# Altium PCB MB1166.PcbDoc (part 3 of 39) (continued)
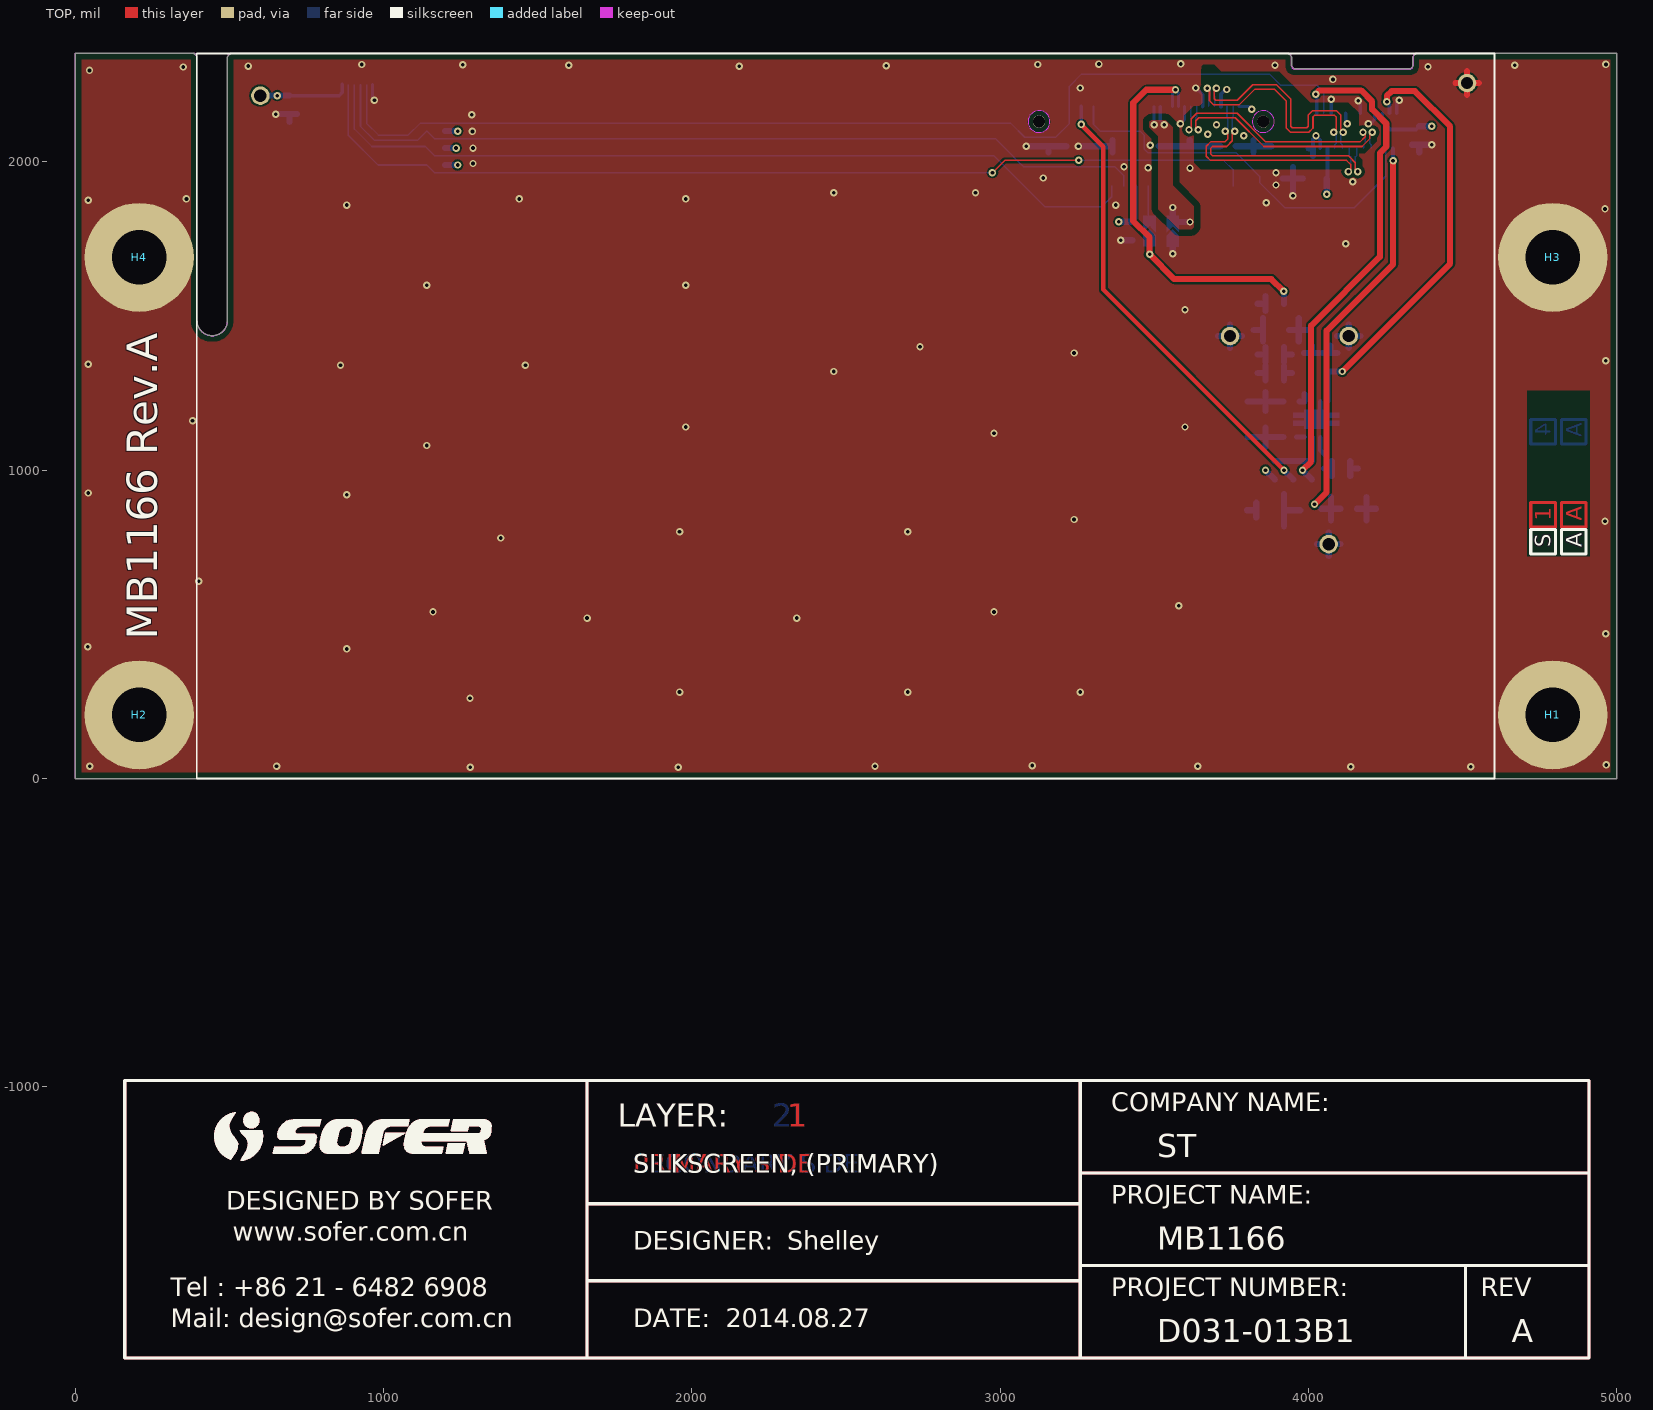
[diagram p0: TOP view]
## Nets (pads, with @x,y where several pads share a name; then routed paths per layer and width w, separated by ;. In a path a pad name is that pad's centre, name@x,y a point inside that pad or via, vN(x,y) a via of type N, cw(c..) or ccw(c..) an arc to the next point about the centre after c; other vN are vias at no path point) (continued)
817.32,-1122.62 ; 817.26,-1122.69 817.32,-1122.62 ; 817.32,-1122.62 817.39,-1122.54 ; 817.32,-1122.62 817.39,-1122.54 ; 817.39,-1122.54 817.6,-1122.33 ; 817.39,-1122.54 817.6,-1122.33 ; 817.56,-1215.92 817.65,-1215.94 ; 817.56,-1215.92 817.65,-1215.94 ; 817.6,-1122.33 817.67,-1122.25 ; 817.6,-1122.33 817.67,-1122.25 ; 817.65,-1215.94 817.75,-1215.96 ; 817.65,-1215.94 817.75,-1215.96 ; 817.67,-1122.25 817.74,-1122.18 ; 817.67,-1122.25 817.74,-1122.18 ; 817.75,-1215.96 817.85,-1215.97 ; 817.75,-1215.96 817.85,-1215.97 ; 817.74,-1122.18 817.8,-1122.11 ; 817.74,-1122.18 817.8,-1122.11 ; 817.8,-1122.11 817.87,-1122.04 ; 817.8,-1122.11 817.87,-1122.04 ; 817.85,-1215.97 818.15,-1216.03 ; 817.85,-1215.97 818.15,-1216.03 ; 817.87,-1122.04 817.94,-1121.96 ; 817.87,-1122.04 817.94,-1121.96 ; 817.94,-1121.96 818.29,-1121.61 ; 817.94,-1121.96 818.29,-1121.61 ; 818.15,-1216.03 818.24,-1216.05 ; 818.15,-1216.03 818.24,-1216.05 ; 818.24,-1216.05 818.34,-1216.06 ; 818.24,-1216.05 818.34,-1216.06 ; 818.29,-1121.61 818.36,-1121.53 ; 818.29,-1121.61 818.36,-1121.53 ; 818.34,-1216.06 818.74,-1216.14 ; 818.34,-1216.06 818.74,-1216.14 ; 818.36,-1121.53 818.78,-1121.11 ; 818.36,-1121.53 818.78,-1121.11 ; 818.74,-1216.14 818.83,-1216.15 ; 818.74,-1216.14 818.83,-1216.15 ; 818.78,-1121.11 818.86,-1121.04 ; 818.78,-1121.11 818.86,-1121.04 ; 818.83,-1216.15 819.13,-1216.21 ; 818.83,-1216.15 819.13,-1216.21 ; 818.86,-1121.04 819.28,-1120.62 ; 818.86,-1121.04 819.28,-1120.62 ; 819.13,-1216.21 819.23,-1216.22 ; 819.13,-1216.21 819.23,-1216.22 ; 819.23,-1216.22 819.33,-1216.24 ; 819.23,-1216.22 819.33,-1216.24 ; 819.28,-1120.62 819.36,-1120.55 ; 819.28,-1120.62 819.36,-1120.55 ; 819.33,-1216.24 819.42,-1216.26 ; 819.33,-1216.24 819.42,-1216.26 ; 819.36,-1120.55 819.57,-1120.34 ; 819.36,-1120.55 819.57,-1120.34 ; 819.42,-1216.26 819.52,-1216.28 ; 819.42,-1216.26 819.52,-1216.28 ; 819.52,-1216.28 819.62,-1216.29 ; 819.52,-1216.28 819.62,-1216.29 ; 819.57,-1120.34 819.65,-1120.27 ; 819.57,-1120.34 819.65,-1120.27 ; 819.62,-1216.29 819.82,-1216.33 ; 819.62,-1216.29 819.82,-1216.33 ; 819.65,-1120.27 819.79,-1120.13 ; 819.65,-1120.27 819.79,-1120.13 ; 819.82,-1216.33 819.9,-1216.34 ; 819.82,-1216.33 819.9,-1216.34 ; 819.79,-1120.13 819.86,-1120.07 ; 819.79,-1120.13 819.86,-1120.07 ; 819.86,-1120.07 819.94,-1120 ; 819.86,-1120.07 819.94,-1120 ; 819.9,-1216.34 882.18,-1216.34 ; 819.9,-1216.34 882.18,-1216.34 ; 819.94,-1120 820.08,-1119.86 ; 819.94,-1120 820.08,-1119.86 ; 820.08,-1119.86 820.16,-1119.79 ; 820.08,-1119.86 820.16,-1119.79 ; 820.16,-1119.79 820.23,-1119.73 ; 820.16,-1119.79 820.23,-1119.73 ; 820.23,-1119.73 820.3,-1119.66 ; 820.23,-1119.73 820.3,-1119.66 ; 820.3,-1119.66 820.38,-1119.59 ; 820.3,-1119.66 820.38,-1119.59 ; 820.38,-1119.59 820.52,-1119.45 ; 820.38,-1119.59 820.52,-1119.45 ; 820.52,-1119.45 820.6,-1119.39 ; 820.52,-1119.45 820.6,-1119.39 ; 820.6,-1119.39 820.67,-1119.32 ; 820.6,-1119.39 820.67,-1119.32 ; 820.67,-1119.32 820.75,-1119.25 ; 820.67,-1119.32 820.75,-1119.25 ; 820.75,-1119.25 820.82,-1119.19 ; 820.75,-1119.25 820.82,-1119.19 ; 820.82,-1119.19 820.89,-1119.12 ; 820.82,-1119.19 820.89,-1119.12 ; 820.89,-1119.12 820.97,-1119.05 ; 820.89,-1119.12 820.97,-1119.05 ; 820.97,-1119.05 821.04,-1118.99 ; 820.97,-1119.05 821.04,-1118.99 ; 821.04,-1118.99 821.12,-1118.92 ; 821.04,-1118.99 821.12,-1118.92 ; 821.12,-1118.92 821.19,-1118.85 ; 821.12,-1118.92 821.19,-1118.85 ; 821.19,-1118.85 821.27,-1118.79 ; 821.19,-1118.85 821.27,-1118.79 ; 821.27,-1118.79 821.34,-1118.72 ; 821.27,-1118.79 821.34,-1118.72 ; 821.34,-1118.72 821.42,-1118.66 ; 821.34,-1118.72 821.42,-1118.66 ; 821.42,-1118.66 821.49,-1118.59 ; 821.42,-1118.66 821.49,-1118.59 ; 821.49,-1118.59 821.57,-1118.53 ; 821.49,-1118.59 821.57,-1118.53 ; 821.57,-1118.53 821.65,-1118.46 ; 821.57,-1118.53 821.65,-1118.46 ; 821.65,-1118.46 821.72,-1118.39 ; 821.65,-1118.46 821.72,-1118.39 ; 821.72,-1118.39 821.8,-1118.33 ; 821.72,-1118.39 821.8,-1118.33 ; 821.8,-1118.33 821.87,-1118.26 ; 821.8,-1118.33 821.87,-1118.26 ; 821.87,-1118.26 822.03,-1118.14 ; 821.87,-1118.26 822.03,-1118.14 ; 822.03,-1118.14 822.1,-1118.07 ; 822.03,-1118.14 822.1,-1118.07 ; 822.1,-1118.07 822.18,-1118.01 ; 822.1,-1118.07 822.18,-1118.01 ; 822.18,-1118.01 822.26,-1117.94 ; 822.18,-1118.01 822.26,-1117.94 ; 822.26,-1117.94 822.33,-1117.88 ; 822.26,-1117.94 822.33,-1117.88 ; 822.33,-1117.88 822.41,-1117.81 ; 822.33,-1117.88 822.41,-1117.81 ; 822.41,-1117.81 822.49,-1117.75 ; 822.41,-1117.81 822.49,-1117.75 ; 822.49,-1117.75 822.56,-1117.69 ; 822.49,-1117.75 822.56,-1117.69 ; 822.56,-1117.69 822.64,-1117.62 ; 822.56,-1117.69 822.64,-1117.62 ; 822.64,-1117.62 822.8,-1117.5 ; 822.64,-1117.62 822.8,-1117.5 ; 822.8,-1117.5 822.87,-1117.43 ; 822.8,-1117.5 822.87,-1117.43 ; 822.87,-1117.43 823.11,-1117.25 ; 822.87,-1117.43 823.11,-1117.25 ; 823.11,-1117.25 823.18,-1117.18 ; 823.11,-1117.25 823.18,-1117.18 ; 823.18,-1117.18 823.42,-1117 ; 823.18,-1117.18 823.42,-1117 ; 823.42,-1117 823.5,-1116.93 ; 823.42,-1117 823.5,-1116.93 ; 823.5,-1116.93 823.66,-1116.81 ; 823.5,-1116.93 823.66,-1116.81 ; 823.66,-1116.81 823.73,-1116.75 ; 823.66,-1116.81 823.73,-1116.75 ; 823.73,-1116.75 823.97,-1116.57 ; 823.73,-1116.75 823.97,-1116.57 ; 823.97,-1116.57 824.05,-1116.5 ; 823.97,-1116.57 824.05,-1116.5 ; 824.05,-1116.5 825.01,-1115.78 ; 824.05,-1116.5 825.01,-1115.78 ; 825.01,-1115.78 825.09,-1115.73 ; 825.01,-1115.78 825.09,-1115.73 ; 825.09,-1115.73 825.33,-1115.55 ; 825.09,-1115.73 825.33,-1115.55 ; 825.33,-1115.55 825.42,-1115.49 ; 825.33,-1115.55 825.42,-1115.49 ; 825.42,-1115.49 825.5,-1115.43 ; 825.42,-1115.49 825.5,-1115.43 ; 825.5,-1115.43 825.58,-1115.38 ; 825.5,-1115.43 825.58,-1115.38 ; 825.58,-1115.38 825.82,-1115.2 ; 825.58,-1115.38 825.82,-1115.2 ; 825.82,-1115.2 825.91,-1115.15 ; 825.82,-1115.2 825.91,-1115.15 ; 825.91,-1115.15 826.15,-1114.97 ; 825.91,-1115.15 826.15,-1114.97 ; 826.15,-1114.97 826.23,-1114.92 ; 826.15,-1114.97 826.23,-1114.92 ; 826.23,-1114.92 826.32,-1114.86 ; 826.23,-1114.92 826.32,-1114.86 ; 826.32,-1114.86 826.4,-1114.8 ; 826.32,-1114.86 826.4,-1114.8 ; 826.4,-1114.8 826.48,-1114.75 ; 826.4,-1114.8 826.48,-1114.75 ; 826.48,-1114.75 826.57,-1114.69 ; 826.48,-1114.75 826.57,-1114.69 ; 826.57,-1114.69 826.65,-1114.64 ; 826.57,-1114.69 826.65,-1114.64 ; 826.65,-1114.64 826.81,-1114.52 ; 826.65,-1114.64 826.81,-1114.52 ; 826.81,-1114.52 826.9,-1114.47 ; 826.81,-1114.52 826.9,-1114.47 ; 826.9,-1114.47 826.98,-1114.41 ; 826.9,-1114.47 826.98,-1114.41 ; 826.98,-1114.41 827.06,-1114.36 ; 826.98,-1114.41 827.06,-1114.36 ; 827.06,-1114.36 827.15,-1114.3 ; 827.06,-1114.36 827.15,-1114.3 ; 827.15,-1114.3 827.23,-1114.25 ; 827.15,-1114.3 827.23,-1114.25 ; 827.23,-1114.25 827.32,-1114.19 ; 827.23,-1114.25 827.32,-1114.19 ; 827.32,-1114.19 827.48,-1114.09 ; 827.32,-1114.19 827.48,-1114.09 ; 827.48,-1114.09 827.57,-1114.03 ; 827.48,-1114.09 827.57,-1114.03 ; 827.57,-1114.03 827.65,-1113.98 ; 827.57,-1114.03 827.65,-1113.98 ; 827.65,-1113.98 827.74,-1113.92 ; 827.65,-1113.98 827.74,-1113.92 ; 827.74,-1113.92 827.82,-1113.87 ; 827.74,-1113.92 827.82,-1113.87 ; 827.82,-1113.87 827.91,-1113.82 ; 827.82,-1113.87 827.91,-1113.82 ; 827.91,-1113.82 827.99,-1113.76 ; 827.91,-1113.82 827.99,-1113.76 ; 827.99,-1113.76 828.07,-1113.71 ; 827.99,-1113.76 828.07,-1113.71 ; 828.07,-1113.71 828.16,-1113.66 ; 828.07,-1113.71 828.16,-1113.66 ; 828.16,-1113.66 828.24,-1113.61 ; 828.16,-1113.66 828.24,-1113.61 ; 828.24,-1113.61 828.33,-1113.55 ; 828.24,-1113.61 828.33,-1113.55 ; 828.33,-1113.55 828.42,-1113.5 ; 828.33,-1113.55 828.42,-1113.5 ; 828.42,-1113.5 828.5,-1113.45 ; 828.42,-1113.5 828.5,-1113.45 ; 828.5,-1113.45 828.59,-1113.4 ; 828.5,-1113.45 828.59,-1113.4 ; 828.59,-1113.4 828.67,-1113.35 ; 828.59,-1113.4 828.67,-1113.35 ; 828.67,-1113.35 828.76,-1113.29 ; 828.67,-1113.35 828.76,-1113.29 ; 828.76,-1113.29 828.84,-1113.24 ; 828.76,-1113.29 828.84,-1113.24 ; 828.84,-1113.24 829.02,-1113.14 ; 828.84,-1113.24 829.02,-1113.14 ; 829.02,-1113.14 829.1,-1113.09 ; 829.02,-1113.14 829.1,-1113.09 ; 829.1,-1113.09 829.19,-1113.04 ; 829.1,-1113.09 829.19,-1113.04 ; 829.19,-1113.04 829.27,-1112.99 ; 829.19,-1113.04 829.27,-1112.99 ; 829.27,-1112.99 829.45,-1112.89 ; 829.27,-1112.99 829.45,-1112.89 ; 829.45,-1112.89 829.53,-1112.84 ; 829.45,-1112.89 829.53,-1112.84 ; 829.53,-1112.84 829.71,-1112.74 ; 829.53,-1112.84 829.71,-1112.74 ; 829.71,-1112.74 829.79,-1112.69 ; 829.71,-1112.74 829.79,-1112.69 ; 829.79,-1112.69 830.06,-1112.54 ; 829.79,-1112.69 830.06,-1112.54 ; 830.06,-1112.54 830.14,-1112.5 ; 830.06,-1112.54 830.14,-1112.5 ; 830.14,-1112.5 830.41,-1112.35 ; 830.14,-1112.5 830.41,-1112.35 ; 830.41,-1112.35 830.49,-1112.3 ; 830.41,-1112.35 830.49,-1112.3 ; 830.49,-1112.3 830.58,-1112.26 ; 830.49,-1112.3 830.58,-1112.26 ; 830.58,-1112.26 830.85,-1112.11 ; 830.58,-1112.26 830.85,-1112.11 ; 830.85,-1112.11 830.93,-1112.07 ; 830.85,-1112.11 830.93,-1112.07 ; 830.93,-1112.07 831.11,-1111.97 ; 830.93,-1112.07 831.11,-1111.97 ; 831.11,-1111.97 831.2,-1111.93 ; 831.11,-1111.97 831.2,-1111.93 ; 831.2,-1111.93 831.29,-1111.88 ; 831.2,-1111.93 831.29,-1111.88 ; 831.29,-1111.88 831.38,-1111.84 ; 831.29,-1111.88 831.38,-1111.84 ; 831.38,-1111.84 831.56,-1111.74 ; 831.38,-1111.84 831.56,-1111.74 ; 831.56,-1111.74 831.65,-1111.7 ; 831.56,-1111.74 831.65,-1111.7 ; 831.65,-1111.7 831.73,-1111.65 ; 831.65,-1111.7 831.73,-1111.65 ; 831.73,-1111.65 831.91,-1111.57 ; 831.73,-1111.65 831.91,-1111.57 ; 831.91,-1111.57 832,-1111.52 ; 831.91,-1111.57 832,-1111.52 ; 832,-1111.52 832.09,-1111.48 ; 832,-1111.52 832.09,-1111.48 ; 832.09,-1111.48 832.18,-1111.43 ; 832.09,-1111.48 832.18,-1111.43 ; 832.18,-1111.43 832.36,-1111.35 ; 832.18,-1111.43 832.36,-1111.35 ; 832.36,-1111.35 832.45,-1111.3 ; 832.36,-1111.35 832.45,-1111.3 ; 832.45,-1111.3 832.63,-1111.22 ; 832.45,-1111.3 832.63,-1111.22 ; 832.63,-1111.22 832.72,-1111.17 ; 832.63,-1111.22 832.72,-1111.17 ; 832.72,-1111.17 832.9,-1111.09 ; 832.72,-1111.17 832.9,-1111.09 ; 832.9,-1111.09 833,-1111.05 ; 832.9,-1111.09 833,-1111.05 ; 833,-1111.05 833.09,-1111 ; 833,-1111.05 833.09,-1111 ; 833.09,-1111 833.63,-1110.76 ; 833.09,-1111 833.63,-1110.76 ; 833.63,-1110.76 833.72,-1110.71 ; 833.63,-1110.76 833.72,-1110.71 ; 833.72,-1110.71 833.82,-1110.67 ; 833.72,-1110.71 833.82,-1110.67 ; 833.82,-1110.67 834.27,-1110.47 ; 833.82,-1110.67 834.27,-1110.47 ; 834.27,-1110.47 834.37,-1110.44 ; 834.27,-1110.47 834.37,-1110.44 ; 834.37,-1110.44 834.73,-1110.28 ; 834.37,-1110.44 834.73,-1110.28 ; 834.73,-1110.28 834.83,-1110.24 ; 834.73,-1110.28 834.83,-1110.24 ; 834.83,-1110.24 835.01,-1110.16 ; 834.83,-1110.24 835.01,-1110.16 ; 835.01,-1110.16 835.1,-1110.13 ; 835.01,-1110.16 835.1,-1110.13 ; 835.1,-1110.13 835.2,-1110.09 ; 835.1,-1110.13 835.2,-1110.09 ; 835.2,-1110.09 835.38,-1110.01 ; 835.2,-1110.09 835.38,-1110.01 ; 835.38,-1110.01 835.47,-1109.98 ; 835.38,-1110.01 835.47,-1109.98 ; 835.47,-1109.98 835.57,-1109.94 ; 835.47,-1109.98 835.57,-1109.94 ; 835.57,-1109.94 835.66,-1109.9 ; 835.57,-1109.94 835.66,-1109.9 ; 835.66,-1109.9 835.75,-1109.87 ; 835.66,-1109.9 835.75,-1109.87 ; 835.75,-1109.87 835.85,-1109.83 ; 835.75,-1109.87 835.85,-1109.83 ; 835.85,-1109.83 835.94,-1109.79 ; 835.85,-1109.83 835.94,-1109.79 ; 835.94,-1109.79 836.03,-1109.76 ; 835.94,-1109.79 836.03,-1109.76 ; 836.03,-1109.76 836.13,-1109.72 ; 836.03,-1109.76 836.13,-1109.72 ; 836.13,-1109.72 836.22,-1109.69 ; 836.13,-1109.72 836.22,-1109.69 ; 836.22,-1109.69 836.31,-1109.65 ; 836.22,-1109.69 836.31,-1109.65 ; 836.31,-1109.65 836.41,-1109.62 ; 836.31,-1109.65 836.41,-1109.62 ; 836.41,-1109.62 836.5,-1109.58 ; 836.41,-1109.62 836.5,-1109.58 ; 836.5,-1109.58 836.59,-1109.55 ; 836.5,-1109.58 836.59,-1109.55 ; 836.59,-1109.55 836.69,-1109.51 ; 836.59,-1109.55 836.69,-1109.51 ; 836.69,-1109.51 836.78,-1109.48 ; 836.69,-1109.51 836.78,-1109.48 ; 836.78,-1109.48 836.88,-1109.44 ; 836.78,-1109.48 836.88,-1109.44 ; 836.88,-1109.44 836.97,-1109.41 ; 836.88,-1109.44 836.97,-1109.41 ; 836.97,-1109.41 837.06,-1109.37 ; 836.97,-1109.41 837.06,-1109.37 ; 837.06,-1109.37 837.16,-1109.34 ; 837.06,-1109.37 837.16,-1109.34 ; 837.16,-1109.34 837.25,-1109.31 ; 837.16,-1109.34 837.25,-1109.31 ; 837.25,-1109.31 837.35,-1109.27 ; 837.25,-1109.31 837.35,-1109.27 ; 837.35,-1109.27 837.53,-1109.21 ; 837.35,-1109.27 837.53,-1109.21 ; 837.53,-1109.21 837.63,-1109.17 ; 837.53,-1109.21 837.63,-1109.17 ; 837.63,-1109.17 837.72,-1109.14 ; 837.63,-1109.17 837.72,-1109.14 ; 837.72,-1109.14 837.82,-1109.11 ; 837.72,-1109.14 837.82,-1109.11 ; 837.82,-1109.11 837.91,-1109.07 ; 837.82,-1109.11 837.91,-1109.07 ; 837.91,-1109.07 838.01,-1109.04 ; 837.91,-1109.07 838.01,-1109.04 ; 838.01,-1109.04 838.1,-1109.01 ; 838.01,-1109.04 838.1,-1109.01 ; 838.1,-1109.01 838.2,-1108.98 ; 838.1,-1109.01 838.2,-1108.98 ; 838.2,-1108.98 838.29,-1108.95 ; 838.2,-1108.98 838.29,-1108.95 ; 838.29,-1108.95 838.39,-1108.91 ; 838.29,-1108.95 838.39,-1108.91 ; 838.39,-1108.91 838.48,-1108.88 ; 838.39,-1108.91 838.48,-1108.88 ; 838.48,-1108.88 838.58,-1108.85 ; 838.48,-1108.88 838.58,-1108.85 ; 838.58,-1108.85 838.67,-1108.82 ; 838.58,-1108.85 838.67,-1108.82 ; 838.67,-1108.82 838.77,-1108.79 ; 838.67,-1108.82 838.77,-1108.79 ; 838.77,-1108.79 838.86,-1108.76 ; 838.77,-1108.79 838.86,-1108.76 ; 838.86,-1108.76 838.96,-1108.73 ; 838.86,-1108.76 838.96,-1108.73 ; 838.96,-1108.73 839.05,-1108.7 ; 838.96,-1108.73 839.05,-1108.7 ; 839.05,-1108.7 839.15,-1108.67 ; 839.05,-1108.7 839.15,-1108.67 ; 839.15,-1108.67 839.24,-1108.64 ; 839.15,-1108.67 839.24,-1108.64 ; 839.24,-1108.64 839.34,-1108.61 ; 839.24,-1108.64 839.34,-1108.61 ; 839.34,-1108.61 839.43,-1108.58 ; 839.34,-1108.61 839.43,-1108.58 ; 839.43,-1108.58 839.53,-1108.55 ; 839.43,-1108.58 839.53,-1108.55 ; 839.53,-1108.55 839.62,-1108.52 ; 839.53,-1108.55 839.62,-1108.52 ; 839.62,-1108.52 839.82,-1108.46 ; 839.62,-1108.52 839.82,-1108.46 ; 839.82,-1108.46 839.91,-1108.43 ; 839.82,-1108.46 839.91,-1108.43 ; 839.91,-1108.43 840.01,-1108.4 ; 839.91,-1108.43 840.01,-1108.4 ; 840.01,-1108.4 840.1,-1108.37 ; 840.01,-1108.4 840.1,-1108.37 ; 840.1,-1108.37 840.2,-1108.34 ; 840.1,-1108.37 840.2,-1108.34 ; 840.2,-1108.34 840.29,-1108.31 ; 840.2,-1108.34 840.29,-1108.31 ; 840.29,-1108.31 840.39,-1108.29 ; 840.29,-1108.31 840.39,-1108.29 ; 840.39,-1108.29 840.49,-1108.26 ; 840.39,-1108.29 840.49,-1108.26 ; 840.49,-1108.26 840.58,-1108.23 ; 840.49,-1108.26 840.58,-1108.23 ; 840.58,-1108.23 840.68,-1108.2 ; 840.58,-1108.23 840.68,-1108.2 ; 840.68,-1108.2 840.77,-1108.17 ; 840.68,-1108.2 840.77,-1108.17 ; 840.77,-1108.17 840.87,-1108.15 ; 840.77,-1108.17 840.87,-1108.15 ; 840.87,-1108.15 840.97,-1108.12 ; 840.87,-1108.15 840.97,-1108.12 ; 840.97,-1108.12 841.06,-1108.09 ; 840.97,-1108.12 841.06,-1108.09 ; 841.06,-1108.09 841.16,-1108.07 ; 841.06,-1108.09 841.16,-1108.07 ; 841.16,-1108.07 841.26,-1108.04 ; 841.16,-1108.07 841.26,-1108.04 ; 841.26,-1108.04 841.35,-1108.01 ; 841.26,-1108.04 841.35,-1108.01 ; 841.35,-1108.01 841.45,-1107.99 ; 841.35,-1108.01 841.45,-1107.99 ; 841.45,-1107.99 841.54,-1107.96 ; 841.45,-1107.99 841.54,-1107.96 ; 841.54,-1107.96 841.64,-1107.93 ; 841.54,-1107.96 841.64,-1107.93 ; 841.64,-1107.93 841.74,-1107.91 ; 841.64,-1107.93 841.74,-1107.91 ; 841.74,-1107.91 841.83,-1107.88 ; 841.74,-1107.91 841.83,-1107.88 ; 841.83,-1107.88 841.93,-1107.86 ; 841.83,-1107.88 841.93,-1107.86 ; 841.93,-1107.86 842.03,-1107.83 ; 841.93,-1107.86 842.03,-1107.83 ; 842.03,-1107.83 842.12,-1107.8 ; 842.03,-1107.83 842.12,-1107.8 ; 842.12,-1107.8 842.22,-1107.78 ; 842.12,-1107.8 842.22,-1107.78 ; 842.22,-1107.78 842.32,-1107.75 ; 842.22,-1107.78 842.32,-1107.75 ; 842.32,-1107.75 842.41,-1107.73 ; 842.32,-1107.75 842.41,-1107.73 ; 842.41,-1107.73 842.51,-1107.7 ; 842.41,-1107.73 842.51,-1107.7 ; 842.51,-1107.7 842.61,-1107.68 ; 842.51,-1107.7 842.61,-1107.68 ; 842.61,-1107.68 842.71,-1107.65 ; 842.61,-1107.68 842.71,-1107.65 ; 842.71,-1107.65 842.8,-1107.63 ; 842.71,-1107.65 842.8,-1107.63 ; 842.8,-1107.63 842.9,-1107.61 ; 842.8,-1107.63 842.9,-1107.61 ; 842.9,-1107.61 843,-1107.58 ; 842.9,-1107.61 843,-1107.58 ; 843,-1107.58 843.09,-1107.56 ; 843,-1107.58 843.09,-1107.56 ; 843.09,-1107.56 843.19,-1107.53 ; 843.09,-1107.56 843.19,-1107.53 ; 843.19,-1107.53 843.29,-1107.51 ; 843.19,-1107.53 843.29,-1107.51 ; 843.29,-1107.51 843.38,-1107.49 ; 843.29,-1107.51 843.38,-1107.49 ; 843.38,-1107.49 843.48,-1107.46 ; 843.38,-1107.49 843.48,-1107.46 ; 843.48,-1107.46 843.58,-1107.44 ; 843.48,-1107.46 843.58,-1107.44 ; 843.58,-1107.44 843.68,-1107.41 ; 843.58,-1107.44 843.68,-1107.41 ; 843.68,-1107.41 843.77,-1107.39 ; 843.68,-1107.41 843.77,-1107.39 ; 843.77,-1107.39 843.97,-1107.35 ; 843.77,-1107.39 843.97,-1107.35 ; 843.97,-1107.35 844.07,-1107.32 ; 843.97,-1107.35 844.07,-1107.32 ; 844.07,-1107.32 844.16,-1107.3 ; 844.07,-1107.32 844.16,-1107.3 ; 844.16,-1107.3 844.26,-1107.28 ; 844.16,-1107.3 844.26,-1107.28 ; 844.26,-1107.28 844.36,-1107.25 ; 844.26,-1107.28 844.36,-1107.25 ; 844.36,-1107.25 844.45,-1107.23 ; 844.36,-1107.25 844.45,-1107.23 ; 844.45,-1107.23 844.65,-1107.19 ; 844.45,-1107.23 844.65,-1107.19 ; 844.65,-1107.19 844.75,-1107.16 ; 844.65,-1107.19 844.75,-1107.16 ; 844.75,-1107.16 844.84,-1107.14 ; 844.75,-1107.16 844.84,-1107.14 ; 844.84,-1107.14 845.24,-1107.06 ; 844.84,-1107.14 845.24,-1107.06 ; 845.24,-1107.06 845.33,-1107.03 ; 845.24,-1107.06 845.33,-1107.03 ; 845.33,-1107.03 845.63,-1106.97 ; 845.33,-1107.03 845.63,-1106.97 ; 845.63,-1106.97 845.72,-1106.95 ; 845.63,-1106.97 845.72,-1106.95 ; 845.72,-1106.95 845.92,-1106.91 ; 845.72,-1106.95 845.92,-1106.91 ; 845.92,-1106.91 846.02,-1106.88 ; 845.92,-1106.91 846.02,-1106.88 ; 846.02,-1106.88 846.11,-1106.86 ; 846.02,-1106.88 846.11,-1106.86 ; 846.11,-1106.86 846.51,-1106.78 ; 846.11,-1106.86 846.51,-1106.78 ; 846.51,-1106.78 846.6,-1106.76 ; 846.51,-1106.78 846.6,-1106.76 ; 846.6,-1106.76 846.7,-1106.74 ; 846.6,-1106.76 846.7,-1106.74 ; 846.7,-1106.74 900.58,-1106.74 ; 846.7,-1106.74 900.58,-1106.74 ; 847.47,-1183.08 847.48,-1183.18 ; 847.47,-1183.08 847.47,-1182.98 ; 847.47,-1183.08 847.48,-1183.18 ; 847.47,-1183.08 847.47,-1182.98 ; 847.47,-1182.98 847.48,-1182.88 ; 847.47,-1182.98 847.48,-1182.88 ; 847.52,-1184.48 847.6,-1185.28 ; 847.52,-1184.48 847.52,-1184.38 ; 847.52,-1184.48 847.6,-1185.28 ; 847.52,-1184.48 847.52,-1184.38 ; 847.52,-1184.38 847.5,-1184.18 ; 847.52,-1184.38 847.5,-1184.18 ; 847.5,-1184.18 847.5,-1184.08 ; 847.5,-1184.18 847.5,-1184.08 ; 847.5,-1184.08 847.49,-1183.98 ; 847.5,-1184.08 847.49,-1183.98 ; 847.49,-1183.98 847.49,-1183.78 ; 847.49,-1183.98 847.49,-1183.78 ; 847.49,-1183.78 847.48,-1183.68 ; 847.49,-1183.78 847.48,-1183.68 ; 847.48,-1183.68 847.48,-1183.18 ; 847.48,-1183.68 847.48,-1183.18 ; 847.48,-1182.88 847.48,-1182.28 ; 847.48,-1182.88 847.48,-1182.28 ; 847.48,-1182.28 847.49,-1182.18 ; 847.48,-1182.28 847.49,-1182.18 ; 847.49,-1182.18 847.49,-1181.98 ; 847.49,-1182.18 847.49,-1181.98 ; 847.49,-1181.98 847.5,-1181.88 ; 847.49,-1181.98 847.5,-1181.88 ; 847.5,-1181.88 847.5,-1181.78 ; 847.5,-1181.88 847.5,-1181.78 ; 847.5,-1181.78 847.51,-1181.68 ; 847.5,-1181.78 847.51,-1181.68 ; 847.51,-1181.68 847.51,-1181.58 ; 847.51,-1181.68 847.51,-1181.58 ; 847.51,-1181.58 847.52,-1181.48 ; 847.51,-1181.58 847.52,-1181.48 ; 847.52,-1181.48 847.52,-1181.38 ; 847.52,-1181.48 847.52,-1181.38 ; 847.52,-1181.38 847.54,-1181.18 ; 847.52,-1181.38 847.54,-1181.18 ; 847.54,-1181.18 847.54,-1181.08 ; 847.54,-1181.18 847.54,-1181.08 ; 847.54,-1181.08 847.55,-1180.99 ; 847.54,-1181.08 847.55,-1180.99 ; 847.55,-1180.99 847.59,-1180.59 ; 847.55,-1180.99 847.59,-1180.59 ; 847.62,-1185.38 847.63,-1185.48 ; 847.62,-1185.38 847.6,-1185.28 ; 847.62,-1185.38 847.63,-1185.48 ; 847.62,-1185.38 847.6,-1185.28 ; 847.59,-1180.59 847.59,-1180.49 ; 847.59,-1180.59 847.59,-1180.49 ; 847.59,-1180.49 847.61,-1180.39 ; 847.59,-1180.49 847.61,-1180.39 ; 847.61,-1180.39 847.66,-1179.89 ; 847.61,-1180.39 847.66,-1179.89 ; 847.66,-1185.67 847.74,-1186.07 ; 847.66,-1185.67 847.65,-1185.57 ; 847.66,-1185.67 847.74,-1186.07 ; 847.66,-1185.67 847.65,-1185.57 ; 847.65,-1185.57 847.63,-1185.48 ; 847.65,-1185.57 847.63,-1185.48 ; 847.66,-1179.89 847.68,-1179.79 ; 847.66,-1179.89 847.68,-1179.79 ; 847.68,-1179.79 847.69,-1179.69 ; 847.68,-1179.79 847.69,-1179.69 ; 847.69,-1179.69 847.71,-1179.59 ; 847.69,-1179.69 847.71,-1179.59 ; 847.71,-1179.59 847.72,-1179.5 ; 847.71,-1179.59 847.72,-1179.5 ; 847.72,-1179.5 847.74,-1179.4 ; 847.72,-1179.5 847.74,-1179.4 ; 847.76,-1186.16 847.8,-1186.36 ; 847.76,-1186.16 847.74,-1186.07 ; 847.76,-1186.16 847.8,-1186.36 ; 847.76,-1186.16 847.74,-1186.07 ; 847.74,-1179.4 847.75,-1179.3 ; 847.74,-1179.4 847.75,-1179.3 ; 847.75,-1179.3 847.83,-1178.9 ; 847.75,-1179.3 847.83,-1178.9 ; 847.8,-1186.36 847.83,-1186.46 ; 847.8,-1186.36 847.83,-1186.46 ; 847.85,-1186.55 847.91,-1186.75 ; 847.85,-1186.55 847.83,-1186.46 ; 847.85,-1186.55 847.91,-1186.75 ; 847.85,-1186.55 847.83,-1186.46 ; 847.83,-1178.9 847.84,-1178.81 ; 847.83,-1178.9 847.84,-1178.81 ; 847.84,-1178.81 847.88,-1178.61 ; 847.84,-1178.81 847.88,-1178.61 ; 847.91,-1186.75 847.93,-1186.84 ; 847.91,-1186.75 847.93,-1186.84 ; 847.88,-1178.61 847.91,-1178.51 ; 847.88,-1178.61 847.91,-1178.51 ; 847.91,-1178.51 847.93,-1178.41 ; 847.91,-1178.51 847.93,-1178.41 ; 847.96,-1186.94 847.99,-1187.03 ; 847.96,-1186.94 847.93,-1186.84 ; 847.96,-1186.94 847.99,-1187.03 ; 847.96,-1186.94 847.93,-1186.84 ; 847.93,-1178.41 847.95,-1178.32 ; 847.93,-1178.41 847.95,-1178.32 ; 847.95,-1178.32 848.01,-1178.02 ; 847.95,-1178.32 848.01,-1178.02 ; 847.99,-1187.03 848.03,-1187.13 ; 847.99,-1187.03 848.03,-1187.13 ; 848.01,-1178.02 848.03,-1177.93 ; 848.01,-1178.02 848.03,-1177.93 ; 848.05,-1187.2 819.06,-1216.19 848.05,-1187.2 ; 848.06,-1187.22 848.09,-1187.32 ; 848.06,-1187.22 848.03,-1187.13 ; 848.06,-1187.22 848.09,-1187.32 ; 848.06,-1187.22 848.03,-1187.13 ; 848.03,-1177.93 848.06,-1177.83 ; 848.03,-1177.93 848.06,-1177.83 ; 848.06,-1177.83 848.1,-1177.63 ; 848.06,-1177.83 848.1,-1177.63 ; 848.09,-1187.32 848.17,-1187.5 ; 848.09,-1187.32 848.17,-1187.5 ; 848.1,-1177.63 848.12,-1177.54 ; 848.1,-1177.63 848.12,-1177.54 ; 848.12,-1177.54 848.14,-1177.44 ; 848.12,-1177.54 848.14,-1177.44 ; 848.17,-1187.5 848.2,-1187.59 ; 848.17,-1187.5 848.2,-1187.59 ; 848.14,-1177.44 848.17,-1177.34 ; 848.14,-1177.44 848.17,-1177.34 ; 848.17,-1177.34 848.19,-1177.24 ; 848.17,-1177.34 848.19,-1177.24 ; 848.2,-1187.59 848.24,-1187.69 ; 848.2,-1187.59 848.24,-1187.69 ; 848.19,-1177.24 848.21,-1177.15 ; 848.19,-1177.24 848.21,-1177.15 ; 848.21,-1177.15 848.29,-1176.75 ; 848.21,-1177.15 848.29,-1176.75 ; 848.24,-1187.69 848.36,-1187.96 ; 848.24,-1187.69 848.36,-1187.96 ; 848.29,-1176.75 848.31,-1176.66 ; 848.29,-1176.75 848.31,-1176.66 ; 848.31,-1176.66 848.39,-1176.26 ; 848.31,-1176.66 848.39,-1176.26 ; 848.36,-1187.96 848.41,-1188.05 ; 848.36,-1187.96 848.41,-1188.05 ; 848.41,-1188.05 848.49,-1188.23 ; 848.41,-1188.05 848.49,-1188.23 ; 848.39,-1176.26 848.41,-1176.17 ; 848.39,-1176.26 848.41,-1176.17 ; 848.41,-1176.17 848.49,-1175.77 ; 848.41,-1176.17 848.49,-1175.77 ; 848.49,-1188.23 848.64,-1188.5 ; 848.49,-1188.23 848.64,-1188.5 ; 848.49,-1175.77 848.51,-1175.68 ; 848.49,-1175.77 848.51,-1175.68 ; 848.51,-1175.68 848.53,-1175.58 ; 848.51,-1175.68 848.53,-1175.58 ; 848.53,-1175.58 848.54,-1175.48 ; 848.53,-1175.58 848.54,-1175.48 ; 848.54,-1175.48 848.6,-1175.18 ; 848.54,-1175.48 848.6,-1175.18 ; 848.6,-1175.18 848.62,-1175.09 ; 848.6,-1175.18 848.62,-1175.09 ; 848.62,-1175.09 848.64,-1174.99 ; 848.62,-1175.09 848.64,-1174.99 ; 848.64,-1188.5 848.68,-1188.58 ; 848.64,-1188.5 848.68,-1188.58 ; 848.64,-1174.99 848.65,-1174.89 ; 848.64,-1174.99 848.65,-1174.89 ; 848.65,-1174.89 848.71,-1174.59 ; 848.65,-1174.89 848.71,-1174.59 ; 848.68,-1188.58 848.78,-1188.76 ; 848.68,-1188.58 848.78,-1188.76 ; 848.71,-1174.59 848.73,-1174.5 ; 848.71,-1174.59 848.73,-1174.5 ; 848.73,-1174.5 848.77,-1174.3 ; 848.73,-1174.5 848.77,-1174.3 ; 848.77,-1174.3 848.78,-1174.2 ; 848.77,-1174.3 848.78,-1174.2 ; 848.78,-1188.76 848.84,-1188.84 ; 848.78,-1188.76 848.84,-1188.84 ; 848.78,-1174.2 848.8,-1174.1 ; 848.78,-1174.2 848.8,-1174.1 ; 848.8,-1174.1 848.82,-1174.01 ; 848.8,-1174.1 848.82,-1174.01 ; 848.82,-1174.01 848.92,-1173.51 ; 848.82,-1174.01 848.92,-1173.51 ; 848.84,-1188.84 848.89,-1188.93 ; 848.84,-1188.84 848.89,-1188.93 ; 848.89,-1188.93 848.94,-1189.01 ; 848.89,-1188.93 848.94,-1189.01 ; 848.92,-1173.51 848.94,-1173.42 ; 848.92,-1173.51 848.94,-1173.42 ; 848.94,-1189.01 849,-1189.09 ; 848.94,-1189.01 849,-1189.09 ; 848.94,-1173.42 849,-1173.12 ; 848.94,-1173.42 849,-1173.12 ; 849,-1189.09 849.05,-1189.18 ; 849,-1189.09 849.05,-1189.18 ; 849,-1173.12 849.02,-1173.03 ; 849,-1173.12 849.02,-1173.03 ; 849.02,-1173.03 849.08,-1172.73 ; 849.02,-1173.03 849.08,-1172.73 ; 849.05,-1189.18 849.17,-1189.34 ; 849.05,-1189.18 849.17,-1189.34 ; 849.08,-1172.73 849.11,-1172.63 ; 849.08,-1172.73 849.11,-1172.63 ; 849.11,-1172.63 849.13,-1172.54 ; 849.11,-1172.63 849.13,-1172.54 ; 849.17,-1189.34 849.22,-1189.42 ; 849.17,-1189.34 849.22,-1189.42 ; 849.13,-1172.54 849.19,-1172.24 ; 849.13,-1172.54 849.19,-1172.24 ; 849.22,-1189.42 849.46,-1189.74 ; 849.22,-1189.42 849.46,-1189.74 ; 849.19,-1172.24 849.22,-1172.15 ; 849.19,-1172.24 849.22,-1172.15 ; 849.22,-1172.15 849.26,-1171.95 ; 849.22,-1172.15 849.26,-1171.95 ; 849.26,-1171.95 849.29,-1171.85 ; 849.26,-1171.95 849.29,-1171.85 ; 849.29,-1171.85 849.31,-1171.76 ; 849.29,-1171.85 849.31,-1171.76 ; 849.31,-1171.76 849.33,-1171.66 ; 849.31,-1171.76 849.33,-1171.66 ; 849.33,-1171.66 849.36,-1171.56 ; 849.33,-1171.66 849.36,-1171.56 ; 849.36,-1171.56 849.38,-1171.47 ; 849.36,-1171.56 849.38,-1171.47 ; 849.38,-1171.47 849.4,-1171.37 ; 849.38,-1171.47 849.4,-1171.37 ; 849.4,-1171.37 849.43,-1171.27 ; 849.4,-1171.37 849.43,-1171.27 ; 849.46,-1189.74 849.53,-1189.82 ; 849.46,-1189.74 849.53,-1189.82 ; 849.43,-1171.27 849.45,-1171.17 ; 849.43,-1171.27 849.45,-1171.17 ; 849.45,-1171.17 849.47,-1171.08 ; 849.45,-1171.17 849.47,-1171.08 ; 849.47,-1171.08 849.5,-1170.98 ; 849.47,-1171.08 849.5,-1170.98 ; 849.5,-1170.98 849.52,-1170.88 ; 849.5,-1170.98 849.52,-1170.88 ; 849.52,-1170.88 849.55,-1170.79 ; 849.52,-1170.88 849.55,-1170.79 ; 849.53,-1189.82 849.65,-1189.98 ; 849.53,-1189.82 849.65,-1189.98 ; 849.55,-1170.79 849.57,-1170.69 ; 849.55,-1170.79 849.57,-1170.69 ; 849.57,-1170.69 849.6,-1170.59 ; 849.57,-1170.69 849.6,-1170.59 ; 849.6,-1170.59 849.62,-1170.5 ; 849.6,-1170.59 849.62,-1170.5 ; 849.62,-1170.5 849.65,-1170.4 ; 849.62,-1170.5 849.65,-1170.4 ; 849.65,-1189.98 849.72,-1190.05 ; 849.65,-1189.98 849.72,-1190.05 ; 849.65,-1170.4 849.67,-1170.3 ; 849.65,-1170.4 849.67,-1170.3 ; 849.67,-1170.3 849.7,-1170.2 ; 849.67,-1170.3 849.7,-1170.2 ; 849.71,-1190.04 823.4,-1216.34 849.71,-1190.04 ; 849.72,-1190.05 849.78,-1190.13 ; 849.72,-1190.05 849.78,-1190.13 ; 849.7,-1170.2 849.72,-1170.11 ; 849.7,-1170.2 849.72,-1170.11 ; 849.72,-1170.11 849.75,-1170.01 ; 849.72,-1170.11 849.75,-1170.01 ; 849.75,-1170.01 849.77,-1169.91 ; 849.75,-1170.01 849.77,-1169.91 ; 849.77,-1169.91 849.8,-1169.82 ; 849.77,-1169.91 849.8,-1169.82 ; 849.78,-1190.13 849.85,-1190.2 ; 849.78,-1190.13 849.85,-1190.2 ; 849.8,-1169.82 849.82,-1169.72 ; 849.8,-1169.82 849.82,-1169.72 ; 849.82,-1169.72 849.85,-1169.62 ; 849.82,-1169.72 849.85,-1169.62 ; 849.85,-1190.2 849.91,-1190.28 ; 849.85,-1190.2 849.91,-1190.28 ; 849.85,-1169.62 849.87,-1169.53 ; 849.85,-1169.62 849.87,-1169.53 ; 849.87,-1169.53 849.9,-1169.43 ; 849.87,-1169.53 849.9,-1169.43 ; 849.91,-1190.28 849.98,-1190.35 ; 849.91,-1190.28 849.98,-1190.35 ; 849.9,-1169.43 849.92,-1169.33 ; 849.9,-1169.43 849.92,-1169.33 ; 849.92,-1169.33 849.95,-1169.24 ; 849.92,-1169.33 849.95,-1169.24 ; 849.95,-1169.24 849.97,-1169.14 ; 849.95,-1169.24 849.97,-1169.14 ; 849.97,-1169.14 850,-1169.04 ; 849.97,-1169.14 850,-1169.04 ; 849.98,-1190.35 850.05,-1190.43 ; 849.98,-1190.35 850.05,-1190.43 ; 850,-1169.04 850.02,-1168.95 ; 850,-1169.04 850.02,-1168.95 ; 850.02,-1168.95 850.05,-1168.85